# Altium PCB IntelligentCarFor51PcbDoc.PcbDoc (part 11 of 14) (continued)
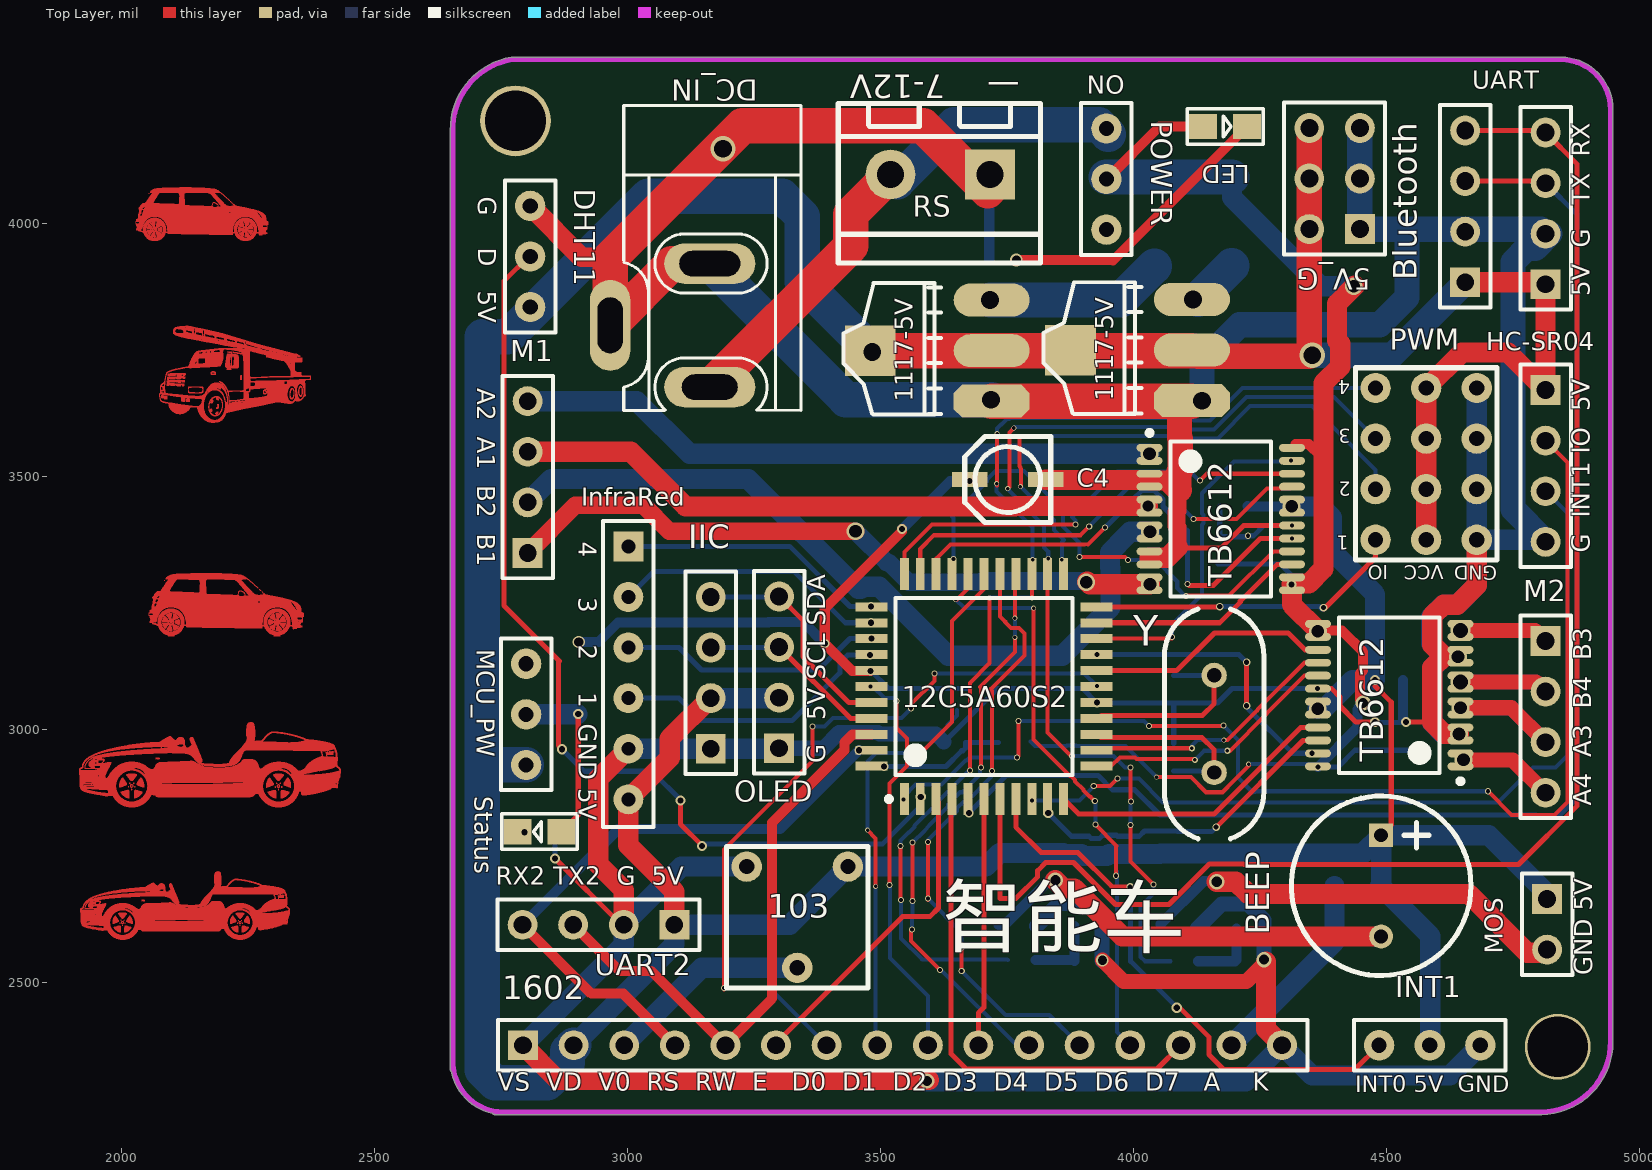
[diagram p0: Top Layer view]
## Nets (pads, with @x,y where several pads share a name; then routed paths per layer and width w, separated by ;. In a path a pad name is that pad's centre, name@x,y a point inside that pad or via, vN(x,y) a via of type N, cw(c..) or ccw(c..) an arc to the next point about the centre after c; other vN are vias at no path point) (continued)
2022.4,2591.8 ; 1998.4,2623 2000,2623 ; 1998.4,2631 2006.4,2631 ; 1998.8,2622.6 1999.6,2622.6 ; 1998.8,2623.4 2000,2623.4 ; 1998.8,2623.8 1999.6,2623.8 ; 1998.8,2630.2 2005.6,2630.2 ; 1998.8,2630.6 2006,2630.6 ; 1998.8,2638.2 2006,2638.2 ; 1999.2,2629.8 2005.6,2629.8 ; 1999.6,2591.4 2021.6,2591.4 ; 1999.6,2629.4 2005.2,2629.4 ; 2000,2618.2 2000.8,2618.2 ; 2000,2618.6 2000.8,2618.6 ; 2000,2619 2000.8,2619 ; 2000,2619.4 2000.8,2619.4 ; 2000,2619.8 2000.8,2619.8 ; 2000,2629 2004.8,2629 ; 2000.4,2617.4 2001.6,2617.4 ; 2000.4,2617.8 2001.2,2617.8 ; 2000.4,2620.2 2001.2,2620.2 ; 2000.4,2628.2 2004,2628.2 ; 2000.4,2628.6 2004.4,2628.6 ; 2000.4,2683.8 2074.4,2683.8 ; 2000.8,2617 2003.6,2617 ; 2000.8,2620.6 2004,2620.6 ; 2000.8,2627.8 2003.6,2627.8 ; 2000.8,2675 2107.6,2675 ; 2001.2,2621 2003.2,2621 ; 2001.2,2627.4 2003.6,2627.4 ; 2001.6,2613.4 2003.2,2613.4 ; 2001.6,2613.8 2003.2,2613.8 ; 2001.6,2614.2 2002.8,2614.2 ; 2001.6,2616.6 2002.8,2616.6 ; 2002,2613 2002.4,2613 ; 2002.4,2585.4 2003.2,2585.4 ; 2002.8,2617.4 2004,2617.4 ; 2003.2,2620.2 2004.4,2620.2 ; 2003.2,2684.2 2074.8,2684.2 ; 2003.6,2617.8 2004.4,2617.8 ; 2003.6,2618.2 2004.4,2618.2 ; 2003.6,2619.8 2004.4,2619.8 ; 2004,2618.6 2004.8,2618.6 ; 2004,2619 2004.8,2619 ; 2004,2619.4 2004.8,2619.4 ; 2004.8,2622.6 2006,2622.6 ; 2004.8,2623 2006,2623 ; 2004.8,2623.4 2006,2623.4 ; 2005.2,2623.8 2006,2623.8 ; 2005.6,2643.8 2013.6,2643.8 ; 2006,2599.8 2006.8,2599.8 ; 2006,2600.2 2008,2600.2 ; 2006,2600.6 2009.2,2600.6 ; 2006,2601 2010.4,2601 ; 2006,2601.4 2011.2,2601.4 ; 2006,2601.8 2012,2601.8 ; 2006,2602.2 2012.8,2602.2 ; 2006,2602.6 2013.2,2602.6 ; 2006,2603 2013.6,2603 ; 2006,2603.4 2014.4,2603.4 ; 2006,2603.8 2014.8,2603.8 ; 2006,2604.2 2015.2,2604.2 ; 2006,2604.6 2015.6,2604.6 ; 2006,2605 2016,2605 ; 2006,2605.4 2016.4,2605.4 ; 2006,2605.8 2016.8,2605.8 ; 2006,2606.2 2017.2,2606.2 ; 2006,2606.6 2017.6,2606.6 ; 2006,2607 2018,2607 ; 2006,2607.4 2018.4,2607.4 ; 2006,2607.8 2018.4,2607.8 ; 2006,2608.2 2018.8,2608.2 ; 2006,2684.6 2068.8,2684.6 ; 2006.4,2608.6 2019.2,2608.6 ; 2006.4,2609 2019.2,2609 ; 2006.4,2609.4 2019.2,2609.4 ; 2006.4,2609.8 2018.8,2609.8 ; 2006.4,2610.2 2017.2,2610.2 ; 2006.4,2610.6 2015.6,2610.6 ; 2006.4,2611 2014,2611 ; 2006.4,2611.4 2012.8,2611.4 ; 2006.4,2617.4 2008,2617.4 ; 2006.4,2675.4 2107.6,2675.4 ; 2006.8,2594.2 2025.2,2594.2 ; 2006.8,2611.8 2011.6,2611.8 ; 2006.8,2612.2 2010.4,2612.2 ; 2006.8,2617 2008,2617 ; 2006.8,2617.8 2007.6,2617.8 ; 2007.6,2612.6 2008.4,2612.6 ; 2008,2643.4 2014.4,2643.4 ; 2008.4,2594.6 2025.6,2594.6 ; 2009.2,2643 2015.2,2643 ; 2009.6,2595 2026,2595 ; 2009.6,2685 2068.8,2685 ; 2010,2621.4 2022,2621.4 ; 2010,2621.8 2021.6,2621.8 ; 2010,2622.2 2021.6,2622.2 ; 2010.4,2621 2022,2621 ; 2010.4,2622.6 2021.6,2622.6 ; 2010.4,2623 2021.6,2623 ; 2010.4,2642.6 2015.6,2642.6 ; 2010.8,2595.4 2026.4,2595.4 ; 2010.8,2620.6 2022,2620.6 ; 2010.8,2623.4 2021.6,2623.4 ; 2010.8,2623.8 2021.2,2623.8 ; 2010.8,2675.8 2107.2,2675.8 ; 2011.2,2620.2 2022,2620.2 ; 2011.2,2624.2 2021.2,2624.2 ; 2011.2,2624.6 2021.2,2624.6 ; 2011.2,2647.8 2028,2647.8 ; 2011.6,2625 2020.8,2625 ; 2011.6,2642.2 2016.4,2642.2 ; 2012,2595.8 2026.8,2595.8 ; 2012,2625.4 2020.8,2625.4 ; 2012,2625.8 2020.8,2625.8 ; 2012.4,2619.8 2022,2619.8 ; 2012.4,2626.2 2020.4,2626.2 ; 2012.4,2641.8 2016.8,2641.8 ; 2012.8,2596.2 2027.2,2596.2 ; 2012.8,2626.6 2020.4,2626.6 ; 2012.8,2627 2020.4,2627 ; 2012.8,2647.4 2028.8,2647.4 ; 2012.8,2685.4 2069.2,2685.4 ; 2013.2,2627.4 2020,2627.4 ; 2013.2,2641.4 2017.6,2641.4 ; 2013.6,2619.4 2022,2619.4 ; 2013.6,2627.8 2020,2627.8 ; 2013.6,2628.2 2019.6,2628.2 ; 2013.6,2647 2029.6,2647 ; 2014,2596.6 2027.6,2596.6 ; 2014,2628.6 2019.6,2628.6 ; 2014,2641 2018,2641 ; 2014.4,2597 2028,2597 ; 2014.4,2629 2019.2,2629 ; 2014.4,2629.4 2018.8,2629.4 ; 2014.8,2619 2022,2619 ; 2014.8,2629.8 2018.8,2629.8 ; 2014.8,2640.6 2018.4,2640.6 ; 2014.8,2646.6 2030,2646.6 ; 2015.2,2597.4 2028,2597.4 ; 2015.2,2630.2 2018.4,2630.2 ; 2015.6,2597.8 2028.4,2597.8 ; 2015.6,2618.6 2022,2618.6 ; 2015.6,2630.6 2018,2630.6 ; 2015.6,2631 2018,2631 ; 2015.6,2640.2 2018.8,2640.2 ; 2015.6,2646.2 2031.2,2646.2 ; 2016,2631.4 2017.6,2631.4 ; 2016,2631.8 2017.2,2631.8 ; 2016,2639.8 2019.2,2639.8 ; 2016,2676.2 2107.2,2676.2 ; 2016,2685.8 2070.4,2685.8 ; 2016.4,2598.2 2028.8,2598.2 ; 2016.4,2645.8 2032,2645.8 ; 2016.8,2618.2 2022,2618.2 ; 2016.8,2639.4 2019.6,2639.4 ; 2017.2,2598.6 2029.2,2598.6 ; 2017.2,2639 2020,2639 ; 2017.2,2645.4 2032.8,2645.4 ; 2017.6,2599 2029.6,2599 ; 2017.6,2617.8 2022,2617.8 ; 2017.6,2638.6 2020.4,2638.6 ; 2018,2599.4 2030,2599.4 ; 2018,2645 2034.4,2645 ; 2018.4,2599.8 2030,2599.8 ; 2018.4,2638.2 2020.8,2638.2 ; 2018.4,2644.6 2243.2,2644.6 ; 2018.8,2600.2 2030.4,2600.2 ; 2018.8,2637.8 2021.2,2637.8 ; 2018.8,2644.2 2244.4,2644.2 ; 2019.2,2617.4 2022,2617.4 ; 2019.2,2637.4 2022,2637.4 ; 2019.2,2686.2 2086.4,2686.2 ; 2019.6,2600.6 2030.4,2600.6 ; 2019.6,2637 2217.6,2637 ; 2019.6,2643.8 2232.4,2643.8 ; 2020,2601 2030.8,2601 ; 2020,2636.6 2216.8,2636.6 ; 2020,2643.4 2229.6,2643.4 ; 2020.4,2601.4 2031.2,2601.4 ; 2020.4,2601.8 2031.2,2601.8 ; 2020.4,2617 2022,2617 ; 2020.4,2636.2 2216.4,2636.2 ; 2020.4,2643 2228,2643 ; 2020.8,2602.2 2031.6,2602.2 ; 2020.8,2635.8 2216.4,2635.8 ; 2020.8,2642.6 2226.8,2642.6 ; 2021.2,2602.6 2032,2602.6 ; 2021.2,2635.4 2216,2635.4 ; 2021.2,2642.2 2225.6,2642.2 ; 2021.2,2676.6 2107.2,2676.6 ; 2021.6,2603 2032,2603 ; 2021.6,2635 2215.6,2635 ; 2021.6,2641.4 2223.6,2641.4 ; 2021.6,2641.8 2224.8,2641.8 ; 2022,2603.4 2032.4,2603.4 ; 2022,2634.6 2215.2,2634.6 ; 2022,2641 2222.8,2641 ; 2022.4,2603.8 2032.4,2603.8 ; 2022.4,2604.2 2032.4,2604.2 ; 2022.4,2633.8 2214.4,2633.8 ; 2022.4,2634.2 2214.8,2634.2 ; 2022.4,2640.2 2221.6,2640.2 ; 2022.4,2640.6 2222,2640.6 ; 2022.8,2604.6 2032.8,2604.6 ; 2022.8,2633 2214,2633 ; 2022.8,2633.4 2214.4,2633.4 ; 2022.8,2637.4 2218,2637.4 ; 2022.8,2638.6 2219.2,2638.6 ; 2022.8,2639 2219.6,2639 ; 2022.8,2639.4 2220.4,2639.4 ; 2022.8,2639.8 2221.2,2639.8 ; 2022.8,2686.6 2086.4,2686.6 ; 2023.2,2605 2033.2,2605 ; 2023.2,2605.4 2196.4,2605.4 ; 2023.2,2632.6 2213.6,2632.6 ; 2023.2,2637.8 2218.4,2637.8 ; 2023.2,2638.2 2218.8,2638.2 ; 2023.6,2605.8 2196.8,2605.8 ; 2023.6,2631.8 2213.2,2631.8 ; 2023.6,2632.2 2213.6,2632.2 ; 2024,2606.2 2197.2,2606.2 ; 2024,2606.6 2197.6,2606.6 ; 2024,2631.4 2212.8,2631.4 ; 2024.4,2607 2197.6,2607 ; 2024.4,2607.4 2198,2607.4 ; 2024.4,2630.6 2212.4,2630.6 ; 2024.4,2631 2212.8,2631 ; 2024.8,2607.8 2212,2607.8 ; 2024.8,2629.8 2212,2629.8 ; 2024.8,2630.2 2212.4,2630.2 ; 2025.2,2608.2 2212,2608.2 ; 2025.2,2608.6 2211.6,2608.6 ; 2025.2,2609 2211.6,2609 ; 2025.2,2628.6 2211.6,2628.6 ; 2025.2,2629 2211.6,2629 ; 2025.2,2629.4 2212,2629.4 ; 2025.6,2609.4 2211.2,2609.4 ; 2025.6,2609.8 2211.2,2609.8 ; 2025.6,2610.2 2211.2,2610.2 ; 2025.6,2627.8 2211.2,2627.8 ; 2025.6,2628.2 2211.2,2628.2 ; 2026,2610.6 2210.8,2610.6 ; 2026,2611 2210.8,2611 ; 2026,2626.6 2210.8,2626.6 ; 2026,2627 2210.8,2627 ; 2026,2627.4 2211.2,2627.4 ; 2026.4,2611.4 2210.8,2611.4 ; 2026.4,2611.8 2210.4,2611.8 ; 2026.4,2612.2 2210.4,2612.2 ; 2026.4,2625.4 2210.4,2625.4 ; 2026.4,2625.8 2210.4,2625.8 ; 2026.4,2626.2 2210.8,2626.2 ; 2026.8,2612.6 2210.4,2612.6 ; 2026.8,2613 2210,2613 ; 2026.8,2613.4 2210,2613.4 ; 2026.8,2613.8 2210,2613.8 ; 2026.8,2614.2 2210,2614.2 ; 2026.8,2623.8 2044.8,2623.8 ; 2026.8,2624.2 2106.8,2624.2 ; 2026.8,2624.6 2146.4,2624.6 ; 2026.8,2625 2178.4,2625 ; 2026.8,2677 2106.8,2677 ; 2026.8,2687 2086.4,2687 ; 2027.2,2614.6 2210,2614.6 ; 2027.2,2615 2210,2615 ; 2027.2,2615.4 2210,2615.4 ; 2027.2,2615.8 2209.6,2615.8 ; 2027.2,2616.2 2209.6,2616.2 ; 2027.2,2616.6 2209.6,2616.6 ; 2027.2,2617 2209.6,2617 ; 2027.2,2617.4 2209.6,2617.4 ; 2027.2,2620.6 2209.6,2620.6 ; 2027.2,2621 2209.6,2621 ; 2027.2,2621.4 2209.6,2621.4 ; 2027.2,2621.8 2066,2621.8 ; 2027.2,2622.2 2055.6,2622.2 ; 2027.2,2622.6 2049.6,2622.6 ; 2027.2,2623 2046.4,2623 ; 2027.2,2623.4 2044.8,2623.4 ; 2027.6,2617.8 2209.6,2617.8 ; 2027.6,2618.2 2209.6,2618.2 ; 2027.6,2618.6 2209.6,2618.6 ; 2027.6,2619 2209.6,2619 ; 2027.6,2619.4 2209.6,2619.4 ; 2027.6,2619.8 2209.6,2619.8 ; 2027.6,2620.2 2209.6,2620.2 ; 2032,2687.4 2086.4,2687.4 ; 2033.6,2677.4 2106.8,2677.4 ; 2035.2,2645 2241.2,2645 ; 2036.4,2645.4 2238.8,2645.4 ; 2036.4,2687.8 2045.6,2687.8 ; 2036.8,2605 2196.4,2605 ; 2036.8,2645.8 2238,2645.8 ; 2037.2,2646.2 2238,2646.2 ; 2037.6,2646.6 2205.2,2646.6 ; 2038,2647 2204.8,2647 ; 2038,2647.4 2204.4,2647.4 ; 2038.4,2647.8 2204,2647.8 ; 2038.4,2648.2 2130.8,2648.2 ; 2038.8,2648.6 2126,2648.6 ; 2039.2,2649 2121.6,2649 ; 2039.2,2649.4 2118.8,2649.4 ; 2039.6,2604.6 2196,2604.6 ; 2039.6,2649.8 2116.4,2649.8 ; 2039.6,2650.2 2114.8,2650.2 ; 2039.6,2650.6 2113.2,2650.6 ; 2040,2603.8 2195.2,2603.8 ; 2040,2604.2 2195.6,2604.2 ; 2040,2651 2112.4,2651 ; 2040.4,2603.4 2194.8,2603.4 ; 2040.4,2651.4 2111.2,2651.4 ; 2040.4,2651.8 2110,2651.8 ; 2040.4,2661.4 2041.2,2661.4 ; 2040.4,2661.8 2041.2,2661.8 ; 2040.4,2662.2 2040.8,2662.2 ; 2040.4,2662.6 2040.8,2662.6 ; 2040.4,2663 2046,2663 ; 2040.4,2663.4 2045.2,2663.4 ; 2040.8,2603 2194,2603 ; 2040.8,2652.2 2109.2,2652.2 ; 2041.2,2602.6 2193.2,2602.6 ; 2041.2,2652.6 2108.8,2652.6 ; 2041.6,2653 2108,2653 ; 2041.6,2662.6 2046.4,2662.6 ; 2041.6,2677.8 2106.8,2677.8 ; 2042,2602.2 2192,2602.2 ; 2042,2653.4 2107.2,2653.4 ; 2042,2662.2 2046,2662.2 ; 2042.4,2653.8 2106.4,2653.8 ; 2042.8,2654.2 2105.6,2654.2 ; 2042.8,2661.8 2046,2661.8 ; 2043.2,2601.8 2190,2601.8 ; 2043.2,2661.4 2046,2661.4 ; 2043.6,2654.6 2105.2,2654.6 ; 2044,2655 2104.4,2655 ; 2044.8,2655.4 2104,2655.4 ; 2046,2655.8 2103.6,2655.8 ; 2046,2687.8 2071.6,2687.8 ; 2046.8,2688.2 2071.2,2688.2 ; 2047.2,2688.6 2070.4,2688.6 ; 2048,2656.2 2102.8,2656.2 ; 2048,2681 2049.6,2681 ; 2048,2689 2070,2689 ; 2048.4,2678.2 2106.4,2678.2 ; 2048.4,2680.6 2049.2,2680.6 ; 2048.4,2689.4 2069.2,2689.4 ; 2048.8,2678.6 2050,2678.6 ; 2048.8,2679 2049.6,2679 ; 2048.8,2679.4 2049.6,2679.4 ; 2048.8,2679.8 2049.6,2679.8 ; 2048.8,2680.2 2049.6,2680.2 ; 2049.2,2689.8 2068.4,2689.8 ; 2050,2690.2 2068,2690.2 ; 2050.4,2690.6 2067.6,2690.6 ; 2051.2,2691 2067.2,2691 ; 2051.6,2691.4 2066.4,2691.4 ; 2052.4,2691.8 2066,2691.8 ; 2053.2,2692.2 2065.6,2692.2 ; 2053.6,2681 2070.4,2681 ; 2054,2692.6 2065.2,2692.6 ; 2054.4,2693 2064.4,2693 ; 2055.2,2693.4 2064,2693.4 ; 2055.6,2678.6 2106.4,2678.6 ; 2055.6,2693.8 2063.6,2693.8 ; 2056.4,2694.2 2063.6,2694.2 ; 2056.8,2680.6 2070.4,2680.6 ; 2057.2,2694.6 2062.8,2694.6 ; 2058,2695 2062.4,2695 ; 2058.4,2695.4 2062.4,2695.4 ; 2059.2,2695.8 2062.8,2695.8 ; 2059.6,2656.6 2102,2656.6 ; 2059.6,2680.2 2085.6,2680.2 ; 2060,2696.2 2065.2,2696.2 ; 2060.8,2696.6 2064.4,2696.6 ; 2061.6,2679.8 2085.6,2679.8 ; 2061.6,2697 2064,2697 ; 2063.2,2695.8 2065.2,2695.8 ; 2063.6,2679 2086,2679 ; 2063.6,2679.4 2085.6,2679.4 ; 2063.6,2695.4 2065.6,2695.4 ; 2064,2695 2066,2695 ; 2064.4,2694.6 2066.4,2694.6 ; 2064.8,2694.2 2066.8,2694.2 ; 2065.2,2693.8 2067.2,2693.8 ; 2065.6,2693.4 2068,2693.4 ; 2066,2693 2068.4,2693 ; 2066.4,2671.4 2109.2,2671.4 ; 2066.4,2692.6 2068.8,2692.6 ; 2066.8,2692.2 2069.2,2692.2 ; 2067.6,2691.8 2070,2691.8 ; 2068,2691.4 2070.4,2691.4 ; 2068.4,2691 2071.2,2691 ; 2068.8,2690.6 2071.6,2690.6 ; 2069.6,2690.2 2086,2690.2 ; 2070,2657 2101.6,2657 ; 2070.4,2689.8 2086,2689.8 ; 2070.8,2689.4 2086,2689.4 ; 2071.2,2680.6 2079.2,2680.6 ; 2071.2,2684.6 2076.4,2684.6 ; 2071.6,2681 2077.2,2681 ; 2071.6,2685 2086.4,2685 ; 2071.6,2689 2086.4,2689 ; 2072,2681.4 2076,2681.4 ; 2072,2685.4 2086.4,2685.4 ; 2072,2685.8 2086.4,2685.8 ; 2072,2688.6 2086.4,2688.6 ; 2072.4,2681.8 2075.2,2681.8 ; 2072.4,2690.6 2086,2690.6 ; 2072.4,2691 2085.6,2691 ; 2072.8,2687.8 2086.4,2687.8 ; 2072.8,2688.2 2086.4,2688.2 ; 2072.8,2691.4 2085.6,2691.4 ; 2073.2,2682.2 2074.4,2682.2 ; 2073.2,2691.8 2085.6,2691.8 ; 2073.2,2692.2 2085.2,2692.2 ; 2073.6,2692.6 2085.2,2692.6 ; 2074,2693 2077.6,2693 ; 2074,2693.4 2077.6,2693.4 ; 2074.4,2693.8 2078.4,2693.8 ; 2075.2,2694.2 2084,2694.2 ; 2075.6,2694.6 2083.6,2694.6 ; 2076,2695 2083.2,2695 ; 2076.8,2695.4 2082.4,2695.4 ; 2078,2693 2084.8,2693 ; 2078,2695.8 2081.2,2695.8 ; 2078.8,2657.4 2100.8,2657.4 ; 2080.4,2693.4 2084.8,2693.4 ; 2081.2,2693.8 2084.4,2693.8 ; 2081.6,2680.6 2085.6,2680.6 ; 2082.4,2671 2109.2,2671 ; 2082.8,2681 2085.2,2681 ; 2083.2,2681.4 2084.8,2681.4 ; 2083.6,2681.8 2084.8,2681.8 ; 2083.6,2684.6 2086.4,2684.6 ; 2084,2682.2 2084.8,2682.2 ; 2084,2682.6 2087.2,2682.6 ; 2084,2684.2 2086.4,2684.2 ; 2084.4,2683 2086.8,2683 ; 2084.4,2683.4 2086.4,2683.4 ; 2084.4,2683.8 2086.4,2683.8 ; 2085.6,2681.8 2087.6,2681.8 ; 2085.6,2682.2 2087.2,2682.2 ; 2086,2681 2087.6,2681 ; 2086,2681.4 2087.6,2681.4 ; 2086.4,2679 2106,2679 ; 2086.4,2679.8 2088.4,2679.8 ; 2086.4,2680.2 2088,2680.2 ; 2086.4,2680.6 2087.6,2680.6 ; 2086.8,2657.8 2100,2657.8 ; 2086.8,2670.6 2109.6,2670.6 ; 2086.8,2679.4 2090,2679.4 ; 2089.6,2670.2 2109.6,2670.2 ; 2090.8,2669.8 2110,2669.8 ; 2092,2669.4 2110,2669.4 ; 2092,2679.4 2106,2679.4 ; 2092.4,2679.8 2105.6,2679.8 ; 2093.2,2669 2110,2669 ; 2093.2,2680.2 2105.6,2680.2 ; 2093.6,2680.6 2105.6,2680.6 ; 2094,2668.6 2110.4,2668.6 ; 2094,2681 2105.2,2681 ; 2094.4,2691.8 2100.8,2691.8 ; 2094.4,2692.2 2100.8,2692.2 ; 2094.4,2692.6 2100.4,2692.6 ; 2094.4,2693 2100.4,2693 ; 2094.4,2693.4 2100,2693.4 ; 2094.4,2693.8 2100,2693.8 ; 2094.8,2658.2 2098,2658.2 ; 2094.8,2668.2 2110.4,2668.2 ; 2094.8,2681.4 2105.2,2681.4 ; 2094.8,2690.6 2101.6,2690.6 ; 2094.8,2691 2101.2,2691 ; 2094.8,2691.4 2101.2,2691.4 ; 2094.8,2694.2 2100,2694.2 ; 2094.8,2694.6 2099.6,2694.6 ; 2095.2,2681.8 2104.8,2681.8 ; 2095.2,2689.8 2101.6,2689.8 ; 2095.2,2690.2 2101.6,2690.2 ; 2095.2,2695 2099.2,2695 ; 2095.6,2667.8 2110.8,2667.8 ; 2095.6,2682.2 2104.8,2682.2 ; 2095.6,2688.6 2102,2688.6 ; 2095.6,2689 2102,2689 ; 2095.6,2689.4 2102,2689.4 ; 2095.6,2695.4 2098.8,2695.4 ; 2096,2687.8 2102.4,2687.8 ; 2096,2688.2 2102.4,2688.2 ; 2096.4,2667.4 2110.8,2667.4 ; 2096.4,2682.6 2104.4,2682.6 ; 2096.4,2687 2102.8,2687 ; 2096.4,2687.4 2102.8,2687.4 ; 2096.4,2695.8 2098,2695.8 ; 2096.8,2667 2111.2,2667 ; 2096.8,2683 2104.4,2683 ; 2096.8,2685.8 2103.2,2685.8 ; 2096.8,2686.2 2103.2,2686.2 ; 2096.8,2686.6 2102.8,2686.6 ; 2097.2,2666.6 2111.2,2666.6 ; 2097.2,2683.4 2104.4,2683.4 ; 2097.2,2684.6 2104,2684.6 ; 2097.2,2685 2103.6,2685 ; 2097.2,2685.4 2103.6,2685.4 ; 2097.6,2683.8 2104,2683.8 ; 2097.6,2684.2 2104,2684.2 ; 2098,2665.8 2111.6,2665.8 ; 2098,2666.2 2111.2,2666.2 ; 2098.8,2665.4 2111.6,2665.4 ; 2099.2,2665 2111.6,2665 ; 2099.6,2664.2 2112,2664.2 ; 2099.6,2664.6 2112,2664.6 ; 2100,2663.8 2112.4,2663.8 ; 2100.4,2663.4 2112.4,2663.4 ; 2100.8,2663 2112.4,2663 ; 2101.2,2662.2 2112.8,2662.2 ; 2101.2,2662.6 2112.8,2662.6 ; 2101.6,2661.8 2105.2,2661.8 ; 2102,2661 2105.2,2661 ; 2102,2661.4 2105.2,2661.4 ; 2102.4,2660.6 2105.6,2660.6 ; 2102.8,2660.2 2106,2660.2 ; 2103.2,2659.8 2106,2659.8 ; 2103.6,2659 2106.8,2659 ; 2103.6,2659.4 2106.4,2659.4 ; 2104,2658.6 2106.8,2658.6 ; 2104.4,2658.2 2107.2,2658.2 ; 2104.8,2657.8 2107.6,2657.8 ; 2105.2,2657.4 2108,2657.4 ; 2105.6,2657 2108.4,2657 ; 2106.4,2656.6 2113.2,2656.6 ; 2106.4,2661.8 2113.2,2661.8 ; 2106.8,2656.2 2109.2,2656.2 ; 2106.8,2661 2113.6,2661 ; 2106.8,2661.4 2113.2,2661.4 ; 2107.2,2655.8 2109.6,2655.8 ; 2107.2,2660.2 2113.6,2660.2 ; 2107.2,2660.6 2113.6,2660.6 ; 2107.6,2655.4 2110.4,2655.4 ; 2107.6,2659.4 2114,2659.4 ; 2107.6,2659.8 2114,2659.8 ; 2108,2658.6 2114,2658.6 ; 2108,2659 2114,2659 ; 2108.4,2655 2111.2,2655 ; 2108.4,2657.4 2113.6,2657.4 ; 2108.4,2657.8 2114,2657.8 ; 2108.4,2658.2 2114,2658.2 ; 2108.8,2654.6 2112,2654.6 ; 2108.8,2657 2113.2,2657 ; 2109.2,2654.2 2116.4,2654.2 ; 2109.6,2656.2 2112.4,2656.2 ; 2110,2653.8 2123.2,2653.8 ; 2111.2,2653.4 2131.6,2653.4 ; 2111.6,2653 2165.6,2653 ; 2112.8,2652.6 2164.4,2652.6 ; 2114,2652.2 2163.6,2652.2 ; 2115.6,2651.8 2162,2651.8 ; 2117.2,2651.4 2160.8,2651.4 ; 2119.6,2651 2158.8,2651 ; 2122.8,2650.6 2156.8,2650.6 ; 2126.8,2650.2 2154,2650.2 ; 2131.2,2621.8 2209.6,2621.8 ; 2132.4,2649.8 2150.4,2649.8 ; 2146,2653.4 2166.4,2653.4 ; 2149.2,2622.2 2210,2622.2 ; 2150.4,2648.2 2204,2648.2 ; 2151.6,2653.8 2167.2,2653.8 ; 2153.6,2654.2 2167.6,2654.2 ; 2154.8,2648.6 2203.6,2648.6 ; 2155.6,2654.6 2168.4,2654.6 ; 2156.4,2655 2168.8,2655 ; 2156.4,2655.4 2169.2,2655.4 ; 2156.4,2655.8 2169.6,2655.8 ; 2156.8,2656.2 2170.4,2656.2 ; 2156.8,2656.6 2170.8,2656.6 ; 2157.2,2657 2171.2,2657 ; 2157.2,2657.4 2171.2,2657.4 ; 2157.2,2657.8 2171.6,2657.8 ; 2157.6,2658.2 2172,2658.2 ; 2157.6,2658.6 2172.4,2658.6 ; 2158,2659 2172.4,2659 ; 2158,2659.4 2172.8,2659.4 ; 2158.4,2649 2203.6,2649 ; 2158.4,2659.8 2173.2,2659.8 ; 2158.8,2660.2 2173.2,2660.2 ; 2158.8,2660.6 2173.6,2660.6 ; 2159.2,2661 2174,2661 ; 2159.6,2661.4 2174,2661.4 ; 2159.6,2661.8 2174,2661.8 ; 2160,2662.2 2174.4,2662.2 ; 2160.4,2649.4 2203.2,2649.4 ; 2160.4,2662.6 2174.4,2662.6 ; 2160.4,2663 2174.8,2663 ; 2160.8,2663.4 2174.8,2663.4 ; 2161.2,2663.8 2175.2,2663.8 ; 2161.6,2664.2 2175.2,2664.2 ; 2162,2649.8 2203.2,2649.8 ; 2162,2664.6 2175.2,2664.6 ; 2162,2665 2175.6,2665 ; 2162.4,2665.4 2175.6,2665.4 ; 2162.8,2622.6 2210,2622.6 ; 2162.8,2665.8 2176,2665.8 ; 2163.2,2666.2 2176,2666.2 ; 2163.6,2650.2 2203.2,2650.2 ; 2163.6,2666.6 2176.4,2666.6 ; 2164,2667 2176.4,2667 ; 2164.4,2667.4 2176.4,2667.4 ; 2164.8,2650.6 2202.8,2650.6 ; 2164.8,2667.8 2176.4,2667.8 ; 2165.2,2668.2 2176.8,2668.2 ; 2165.6,2668.6 2176.8,2668.6 ; 2166,2651 2202.8,2651 ; 2166,2669 2177.2,2669 ; 2166.4,2669.4 2177.2,2669.4 ; 2166.4,2669.8 2177.2,2669.8 ; 2166.8,2670.2 2177.6,2670.2 ; 2167.2,2651.4 2202.8,2651.4 ; 2167.2,2670.6 2178,2670.6 ; 2167.6,2671 2178,2671 ; 2168.4,2651.8 2202.4,2651.8 ; 2168.4,2671.4 2178.4,2671.4 ; 2168.4,2671.8 2178.4,2671.8 ; 2168.8,2672.2 2178.8,2672.2 ; 2169.2,2652.2 2202.4,2652.2 ; 2169.2,2672.6 2178.8,2672.6 ; 2169.6,2673 2178.8,2673 ; 2170,2652.6 2202.4,2652.6 ; 2170.4,2673.4 2179.2,2673.4 ; 2170.8,2653 2202,2653 ; 2170.8,2673.8 2179.2,2673.8 ; 2170.8,2674.2 2179.6,2674.2 ; 2171.2,2653.4 2202,2653.4 ; 2171.6,2674.6 2180,2674.6 ; 2171.6,2675 2180,2675 ; 2172,2623 2210,2623 ; 2172,2653.8 2201.6,2653.8 ; 2172,2675.4 2181.6,2675.4 ; 2172.4,2654.2 2201.6,2654.2 ; 2172.4,2675.8 2315.2,2675.8 ; 2172.8,2676.2 2316.4,2676.2 ; 2173.2,2654.6 2201.2,2654.6 ; 2173.2,2676.6 2318,2676.6 ; 2173.6,2655 2201.2,2655 ; 2173.6,2677 2319.2,2677 ; 2174,2655.4 2200.8,2655.4 ; 2174,2677.4 2320.8,2677.4 ; 2174.4,2655.8 2200.8,2655.8 ; 2174.4,2677.8 2324.8,2677.8 ; 2174.8,2656.2 2200.4,2656.2 ; 2174.8,2678.2 2324.8,2678.2 ; 2175.2,2656.6 2200,2656.6 ; 2175.2,2678.6 2324.8,2678.6 ; 2175.6,2657 2200,2657 ; 2175.6,2679 2324.4,2679 ; 2176,2657.4 2199.6,2657.4 ; 2176,2679.4 2324.4,2679.4 ; 2176.4,2657.8 2199.2,2657.8 ; 2176.4,2658.2 2198.8,2658.2 ; 2176.4,2679.8 2324,2679.8 ; 2176.4,2680.2 2324,2680.2 ; 2176.8,2658.6 2198.4,2658.6 ; 2176.8,2680.6 2323.6,2680.6 ; 2177.2,2659 2197.6,2659 ; 2177.2,2681 2323.6,2681 ; 2177.2,2681.4 2323.6,2681.4 ; 2177.6,2659.4 2197.2,2659.4 ; 2177.6,2681.8 2323.2,2681.8 ; 2178,2659.8 2196.4,2659.8 ; 2178,2682.2 2323.2,2682.2 ; 2178.4,2623.4 2210,2623.4 ; 2178.4,2660.2 2195.6,2660.2 ; 2178.4,2682.6 2322.8,2682.6 ; 2178.8,2683 2322.4,2683 ; 2179.2,2660.6 2194,2660.6 ; 2179.2,2683.4 2322,2683.4 ; 2179.2,2683.8 2321.2,2683.8 ; 2179.6,2684.2 2320.8,2684.2 ; 2180,2684.6 2320,2684.6 ; 2180.4,2685 2319.2,2685 ; 2180.8,2685.4 2318,2685.4 ; 2181.2,2685.8 2317.2,2685.8 ; 2181.2,2686.2 2316,2686.2 ; 2181.6,2686.6 2315.2,2686.6 ; 2182,2687 2314,2687 ; 2182.4,2687.4 2249.2,2687.4 ; 2182.4,2687.8 2238.8,2687.8 ; 2182.8,2623.8 2210,2623.8 ; 2182.8,2688.2 2231.2,2688.2 ; 2182.8,2688.6 2224.4,2688.6 ; 2183.2,2689 2209.2,2689 ; 2183.6,2689.4 2209.2,2689.4 ; 2183.6,2689.8 2196.4,2689.8 ; 2183.6,2690.2 2196.4,2690.2 ; 2183.6,2699 2197.6,2699 ; 2183.6,2699.4 2197.6,2699.4 ; 2183.6,2699.8 2197.6,2699.8 ; 2183.6,2700.2 2197.6,2700.2 ; 2183.6,2700.6 2197.6,2700.6 ; 2183.6,2701 2197.6,2701 ; 2183.6,2701.4 2197.6,2701.4 ; 2183.6,2701.8 2197.6,2701.8 ; 2183.6,2702.2 2197.6,2702.2 ; 2183.6,2702.6 2197.6,2702.6 ; 2183.6,2703 2197.6,2703 ; 2183.6,2703.4 2197.6,2703.4 ; 2183.6,2703.8 2197.6,2703.8 ; 2183.6,2704.2 2197.6,2704.2 ; 2183.6,2704.6 2197.6,2704.6 ; 2183.6,2705 2197.6,2705 ; 2183.6,2705.4 2197.6,2705.4 ; 2183.6,2705.8 2197.6,2705.8 ; 2183.6,2706.2 2197.6,2706.2 ; 2183.6,2706.6 2197.6,2706.6 ; 2183.6,2707 2197.6,2707 ; 2183.6,2707.4 2197.6,2707.4 ; 2183.6,2707.8 2197.6,2707.8 ; 2183.6,2708.2 2197.2,2708.2 ; 2183.6,2708.6 2197.2,2708.6 ; 2183.6,2709 2197.2,2709 ; 2183.6,2709.4 2197.2,2709.4 ; 2184,2690.6 2196.4,2690.6 ; 2184,2691 2196.4,2691 ; 2184,2697.4 2197.6,2697.4 ; 2184,2697.8 2197.6,2697.8 ; 2184,2698.2 2197.6,2698.2 ; 2184,2698.6 2197.6,2698.6 ; 2184,2709.8 2197.2,2709.8 ; 2184,2710.2 2197.2,2710.2 ; 2184,2710.6 2197.2,2710.6 ; 2184,2711 2197.2,2711 ; 2184,2711.4 2196.8,2711.4 ; 2184,2711.8 2196.8,2711.8 ; 2184,2712.2 2196.8,2712.2 ; 2184,2712.6 2196.8,2712.6 ; 2184,2713 2196.8,2713 ; 2184.4,2691.4 2196.8,2691.4 ; 2184.4,2691.8 2196.8,2691.8 ; 2184.4,2692.2 2196.8,2692.2 ; 2184.4,2692.6 2196.8,2692.6 ; 2184.4,2693 2196.8,2693 ; 2184.4,2696.2 2197.2,2696.2 ; 2184.4,2696.6 2197.2,2696.6 ; 2184.4,2697 2197.2,2697 ; 2184.4,2713.4 2196.8,2713.4 ; 2184.4,2713.8 2196.4,2713.8 ; 2184.4,2714.2 2196.4,2714.2 ; 2184.4,2714.6 2196.4,2714.6 ; 2184.4,2715 2196.4,2715 ; 2184.8,2693.4 2196.8,2693.4 ; 2184.8,2693.8 2197.2,2693.8 ; 2184.8,2694.2 2197.2,2694.2 ; 2184.8,2694.6 2197.2,2694.6 ; 2184.8,2695 2197.2,2695 ; 2184.8,2695.4 2197.2,2695.4 ; 2184.8,2695.8 2197.2,2695.8 ; 2184.8,2715.4 2196.4,2715.4 ; 2184.8,2715.8 2196,2715.8 ; 2185.2,2716.2 2196,2716.2 ; 2185.2,2716.6 2196,2716.6 ; 2185.6,2717 2195.6,2717 ; 2186,2717.4 2195.6,2717.4 ; 2186.4,2717.8 2195.2,2717.8 ; 2186.8,2624.2 2210,2624.2 ; 2186.8,2718.2 2194.8,2718.2 ; 2187.6,2718.6 2194,2718.6 ; 2188.8,2719 2193.2,2719 ; 2190,2624.6 2210,2624.6 ; 2190.4,2719.4 2191.6,2719.4 ; 2191.6,2625 2210.4,2625 ; 2198.4,2689.8 2209.6,2689.8 ; 2198.8,2607.4 2212.4,2607.4 ; 2201.2,2607 2212.4,2607 ; 2202.4,2690.2 2209.6,2690.2 ; 2203.2,2606.6 2212.8,2606.6 ; 2203.6,2605.8 2213.2,2605.8 ; 2203.6,2606.2 2212.8,2606.2 ; 2204,2605 2213.6,2605 ; 2204,2605.4 2213.6,2605.4 ; 2204.4,2604.2 2214.4,2604.2 ; 2204.4,2604.6 2214,2604.6 ; 2204.8,2603.4 2214.8,2603.4 ; 2204.8,2603.8 2214.4,2603.8 ; 2205.2,2602.6 2215.6,2602.6 ; 2205.2,2603 2215.2,2603 ; 2205.6,2601.8 2216.4,2601.8 ; 2205.6,2602.2 2216,2602.2 ; 2206,2601.4 2216.4,2601.4 ; 2206.4,2600.6 2217.2,2600.6 ; 2206.4,2601 2216.8,2601 ; 2206.8,2600.2 2214,2600.2 ; 2207.2,2599.4 2214.4,2599.4 ; 2207.2,2599.8 2214,2599.8 ; 2207.6,2599 2214.4,2599 ; 2207.6,2646.6 2238,2646.6 ; 2208,2598.6 2214.8,2598.6 ; 2208,2690.6 2210,2690.6 ; 2208.4,2597.8 2215.6,2597.8 ; 2208.4,2598.2 2215.2,2598.2 ; 2208.4,2647 2238.8,2647 ; 2208.4,2691 2210.4,2691 ; 2208.8,2597.4 2216,2597.4 ; 2208.8,2691.4 2210.8,2691.4 ; 2209.2,2597 2216.4,2597 ; 2209.2,2647.4 2239.2,2647.4 ; 2209.2,2691.8 2210.8,2691.8 ; 2209.6,2596.6 2216.8,2596.6 ; 2209.6,2647.8 2240.4,2647.8 ; 2209.6,2692.2 2211.2,2692.2 ; 2209.6,2692.6 2211.6,2692.6 ; 2210,2596.2 2217.2,2596.2 ; 2210,2648.2 2260,2648.2 ; 2210,2693 2212,2693 ; 2210.4,2595.8 2217.6,2595.8 ; 2210.4,2648.6 2259.6,2648.6 ; 2210.4,2693.4 2212.4,2693.4 ; 2210.8,2595.4 2218,2595.4 ; 2210.8,2693.8 2212.8,2693.8 ; 2210.8,2694.2 2212.8,2694.2 ; 2211.2,2595 2218.8,2595 ; 2211.2,2649 2258.8,2649 ; 2211.6,2594.6 2219.2,2594.6 ; 2211.6,2649.4 2258.4,2649.4 ; 2211.6,2694.6 2213.6,2694.6 ; 2211.6,2695 2214,2695 ; 2212,2594.2 2220,2594.2 ; 2212,2695.4 2214,2695.4 ; 2212.4,2593.8 2220.8,2593.8 ; 2212.4,2649.8 2258,2649.8 ; 2212.4,2695.8 2214.4,2695.8 ; 2212.8,2593.4 2221.6,2593.4 ; 2212.8,2650.2 2257.2,2650.2 ; 2212.8,2696.2 2214.8,2696.2 ; 2213.2,2593 2222.4,2593 ; 2213.2,2696.6 2215.2,2696.6 ; 2213.6,2650.6 2256.8,2650.6 ; 2213.6,2697 2215.6,2697 ; 2214,2592.6 2223.6,2592.6 ; 2214,2651 2256,2651 ; 2214,2697.4 2216,2697.4 ; 2214.4,2592.2 2224.8,2592.2 ; 2214.4,2600.2 2218,2600.2 ; 2214.4,2697.8 2216.4,2697.8 ; 2214.8,2591.8 2226.4,2591.8 ; 2214.8,2599.8 2218.4,2599.8 ; 2214.8,2617.8 2219.6,2617.8 ; 2214.8,2618.2 2220.4,2618.2 ; 2214.8,2618.6 2221.6,2618.6 ; 2214.8,2619 2222.4,2619 ; 2214.8,2619.4 2223.6,2619.4 ; 2214.8,2619.8 2224.8,2619.8 ; 2214.8,2620.2 2225.6,2620.2 ; 2214.8,2651.4 2255.2,2651.4 ; 2214.8,2698.2 2216.8,2698.2 ; 2215.2,2599.4 2218.8,2599.4 ; 2215.2,2616.6 2216,2616.6 ; 2215.2,2617 2216.8,2617 ; 2215.2,2617.4 2218,2617.4 ; 2215.2,2620.6 2226.4,2620.6 ; 2215.2,2621 2226.8,2621 ; 2215.2,2621.4 2226.8,2621.4 ; 2215.2,2621.8 2226.8,2621.8 ; 2215.2,2622.2 2226.8,2622.2 ; 2215.2,2622.6 2226.8,2622.6 ; 2215.2,2698.6 2217.2,2698.6 ; 2215.6,2591.4 2228.4,2591.4 ; 2215.6,2623 2226.4,2623 ; 2215.6,2623.4 2226.4,2623.4 ; 2215.6,2623.8 2226,2623.8 ; 2215.6,2624.2 2225.6,2624.2 ; 2215.6,2624.6 2225.6,2624.6 ; 2215.6,2651.8 2254.4,2651.8 ; 2215.6,2699 2217.6,2699 ; 2216,2591 2253.2,2591 ; 2216,2599 2219.2,2599 ; 2216,2625 2225.2,2625 ; 2216,2625.4 2224.8,2625.4 ; 2216,2699.4 2218.4,2699.4 ; 2216.4,2598.6 2219.6,2598.6 ; 2216.4,2625.8 2224.8,2625.8 ; 2216.4,2626.2 2224.4,2626.2 ; 2216.4,2626.6 2224,2626.6 ; 2216.4,2652.2 2254,2652.2 ; 2216.4,2699.8 2218.8,2699.8 ; 2216.8,2590.6 2252.4,2590.6 ; 2216.8,2598.2 2220.4,2598.2 ; 2216.8,2627 2224,2627 ; 2216.8,2700.2 2219.2,2700.2 ; 2217.2,2590.2 2252,2590.2 ; 2217.2,2597.8 2221.2,2597.8 ; 2217.2,2627.4 2223.6,2627.4 ; 2217.2,2627.8 2223.2,2627.8 ; 2217.2,2628.2 2223.2,2628.2 ; 2217.2,2652.6 2253.2,2652.6 ; 2217.2,2700.6 2219.6,2700.6 ; 2217.6,2597.4 2221.6,2597.4 ; 2217.6,2609 2230.8,2609 ; 2217.6,2609.4 2230.8,2609.4 ; 2217.6,2628.6 2222.8,2628.6 ; 2217.6,2629 2222.4,2629 ; 2217.6,2701 2220.4,2701 ; 2218,2589.8 2251.2,2589.8 ; 2218,2608.2 2230.8,2608.2 ; 2218,2608.6 2230.8,2608.6 ; 2218,2629.4 2222,2629.4 ; 2218,2653 2252.4,2653 ; 2218.4,2597 2222,2597 ; 2218.4,2607.8 2230.8,2607.8 ; 2218.4,2629.8 2222,2629.8 ; 2218.4,2701.4 2220.8,2701.4 ; 2218.8,2589.4 2250.8,2589.4 ; 2218.8,2596.6 2222.8,2596.6 ; 2218.8,2607 2230.8,2607 ; 2218.8,2607.4 2230.8,2607.4 ; 2218.8,2609.8 2230.8,2609.8 ; 2218.8,2630.2 2221.6,2630.2 ; 2218.8,2630.6 2221.6,2630.6 ; 2218.8,2653.4 2251.2,2653.4 ; 2218.8,2701.8 2221.6,2701.8 ; 2219.2,2589 2250,2589 ; 2219.2,2596.2 2223.6,2596.2 ; 2219.2,2606.6 2230.8,2606.6 ; 2219.2,2631 2221.2,2631 ; 2219.6,2606.2 2230.8,2606.2 ; 2219.6,2631.4 2220.8,2631.4 ; 2219.6,2631.8 2220.8,2631.8 ; 2219.6,2653.8 2250.4,2653.8 ; 2219.6,2702.2 2222.4,2702.2 ; 2220,2595.8 2224.8,2595.8 ; 2220,2605.8 2230.8,2605.8 ; 2220,2610.2 2230.8,2610.2 ; 2220,2702.6 2223.2,2702.6 ; 2220.4,2588.6 2248.8,2588.6 ; 2220.4,2605 2230.8,2605 ; 2220.4,2605.4 2230.8,2605.4 ; 2220.8,2595.4 2225.6,2595.4 ; 2220.8,2654.2 2249.2,2654.2 ; 2220.8,2703 2224,2703 ; 2221.2,2588.2 2248,2588.2 ; 2221.2,2604.6 2230.8,2604.6 ; 2221.2,2703.4 2225.2,2703.4 ; 2221.6,2595 2226.8,2595 ; 2221.6,2604.2 2230.8,2604.2 ; 2221.6,2610.6 2230.4,2610.6 ; 2222,2587.8 2247.2,2587.8 ; 2222,2594.6 2228,2594.6 ; 2222,2603.8 2230.8,2603.8 ; 2222,2654.6 2248.4,2654.6 ; 2222,2703.8 2238,2703.8 ; 2222.4,2603.4 2230.8,2603.4 ; 2222.8,2594.2 2229.6,2594.2 ; 2222.8,2603 2230.8,2603 ; 2222.8,2611 2230.4,2611 ; 2223.2,2587.4 2246,2587.4 ; 2223.2,2655 2247.2,2655 ; 2223.2,2704.2 2234.4,2704.2 ; 2223.6,2593.8 2232.8,2593.8 ; 2223.6,2602.6 2230.8,2602.6 ; 2224,2602.2 2230.8,2602.2 ; 2224.4,2587 2245.2,2587 ; 2224.4,2611.4 2230.4,2611.4 ; 2224.4,2655.4 2245.6,2655.4 ; 2224.4,2704.6 2230.8,2704.6 ; 2224.8,2593.4 2256.4,2593.4 ; 2224.8,2601.8 2230.8,2601.8 ; 2225.2,2601.4 2230.8,2601.4 ; 2225.6,2586.6 2243.6,2586.6 ; 2225.6,2611.8 2230,2611.8 ; 2226,2593 2256,2593 ; 2226,2655.8 2244.4,2655.8 ; 2226.4,2601 2230.8,2601 ; 2226.4,2636.2 2242.8,2636.2 ; 2226.4,2636.6 2242.8,2636.6 ; 2226.8,2635.8 2242.4,2635.8 ; 2227.2,2592.6 2255.2,2592.6 ; 2227.2,2600.6 2230.8,2600.6 ; 2227.2,2612.2 2230,2612.2 ; 2227.2,2635 2241.6,2635 ; 2227.2,2635.4 2242,2635.4 ; 2227.2,2637 2242,2637 ; 2227.6,2586.2 2241.6,2586.2 ; 2227.6,2634.6 2241.2,2634.6 ; 2228,2634.2 2241.2,2634.2 ; 2228,2703.4 2241.2,2703.4 ; 2228.4,2600.2 2230.8,2600.2 ; 2228.4,2633.8 2240.8,2633.8 ; 2228.4,2637.4 2240.8,2637.4 ; 2228.4,2656.2 2241.6,2656.2